# KiCad board SparkFun_BMV080_panelized.kicad_pcb (continued)
## Placement (name value [footprint] x y rotation side) (continued)
kibuzzard-66C3B3B1#29  G***  [kibuzzard-66C3B3B1]  139.93 17.24 90 bottom
kibuzzard-66C3B3B1#30  G***  [kibuzzard-66C3B3B1]  90.67 17.24 90 bottom
kibuzzard-66C3B3B1#31  G***  [kibuzzard-66C3B3B1]  66.04 122.84 90 bottom
kibuzzard-66C3B3B1#32  G***  [kibuzzard-66C3B3B1]  90.67 30.44 90 bottom
kibuzzard-66C3B3B1#33  G***  [kibuzzard-66C3B3B1]  66.04 43.64 90 bottom
kibuzzard-66C3B3B1#34  G***  [kibuzzard-66C3B3B1]  90.67 56.84 90 bottom
kibuzzard-66C3B3B1#35  G***  [kibuzzard-66C3B3B1]  90.67 43.64 90 bottom
kibuzzard-66C3B3B1#36  G***  [kibuzzard-66C3B3B1]  66.04 109.64 90 bottom
kibuzzard-66C3B3B1#37  G***  [kibuzzard-66C3B3B1]  90.67 70.04 90 bottom
kibuzzard-66C3B3B1#38  G***  [kibuzzard-66C3B3B1]  90.67 122.84 90 bottom
kibuzzard-66C3B3B1#39  G***  [kibuzzard-66C3B3B1]  115.3 43.64 90 bottom
kibuzzard-66C3B3B1#40  G***  [kibuzzard-66C3B3B1]  115.3 56.84 90 bottom
kibuzzard-66C3B3B1#41  G***  [kibuzzard-66C3B3B1]  115.3 30.44 90 bottom
kibuzzard-66C3B3B1#42  G***  [kibuzzard-66C3B3B1]  115.3 70.04 90 bottom
kibuzzard-66C3B3B1#43  G***  [kibuzzard-66C3B3B1]  115.3 96.44 90 bottom
kibuzzard-66C3B3B1#44  G***  [kibuzzard-66C3B3B1]  115.3 122.84 90 bottom
kibuzzard-66C3B3B1#45  G***  [kibuzzard-66C3B3B1]  115.3 83.24 90 bottom
kibuzzard-66C3B3B1#46  G***  [kibuzzard-66C3B3B1]  115.3 109.64 90 bottom
kibuzzard-66C3B3B1#47  G***  [kibuzzard-66C3B3B1]  139.93 43.64 90 bottom
kibuzzard-66C3B3B1#48  G***  [kibuzzard-66C3B3B1]  139.93 70.04 90 bottom
kibuzzard-66C3B3B1#49  G***  [kibuzzard-66C3B3B1]  139.93 96.44 90 bottom
kibuzzard-66C3B3B1#50  G***  [kibuzzard-66C3B3B1]  139.93 83.24 90 bottom
kibuzzard-66C3B3B1#51  G***  [kibuzzard-66C3B3B1]  139.93 56.84 90 bottom
kibuzzard-66C3B3B1#52  G***  [kibuzzard-66C3B3B1]  139.93 30.44 90 bottom
kibuzzard-66C3B3B1#53  G***  [kibuzzard-66C3B3B1]  139.93 122.84 90 bottom
kibuzzard-66C3B3B1#54  G***  [kibuzzard-66C3B3B1]  139.93 109.64 90 bottom
kibuzzard-66C3B3D3  G***  [kibuzzard-66C3B3D3]  20.63 17.25 90 bottom
kibuzzard-66C3B3D3#2  G***  [kibuzzard-66C3B3D3]  119.15 30.45 90 bottom
kibuzzard-66C3B3D3#3  G***  [kibuzzard-66C3B3D3]  69.89 109.65 90 bottom
kibuzzard-66C3B3D3#4  G***  [kibuzzard-66C3B3D3]  119.15 70.05 90 bottom
kibuzzard-66C3B3D3#5  G***  [kibuzzard-66C3B3D3]  94.52 30.45 90 bottom
kibuzzard-66C3B3D3#6  G***  [kibuzzard-66C3B3D3]  119.15 122.85 90 bottom
kibuzzard-66C3B3D3#7  G***  [kibuzzard-66C3B3D3]  143.78 30.45 90 bottom
kibuzzard-66C3B3D3#8  G***  [kibuzzard-66C3B3D3]  143.78 56.85 90 bottom
kibuzzard-66C3B3D3#9  G***  [kibuzzard-66C3B3D3]  119.15 83.25 90 bottom
kibuzzard-66C3B3D3#10  G***  [kibuzzard-66C3B3D3]  94.52 56.85 90 bottom
kibuzzard-66C3B3D3#11  G***  [kibuzzard-66C3B3D3]  94.52 96.45 90 bottom
kibuzzard-66C3B3D3#12  G***  [kibuzzard-66C3B3D3]  94.52 109.65 90 bottom
kibuzzard-66C3B3D3#13  G***  [kibuzzard-66C3B3D3]  69.89 122.85 90 bottom
kibuzzard-66C3B3D3#14  G***  [kibuzzard-66C3B3D3]  94.52 43.65 90 bottom
kibuzzard-66C3B3D3#15  G***  [kibuzzard-66C3B3D3]  94.52 17.25 90 bottom
kibuzzard-66C3B3D3#16  G***  [kibuzzard-66C3B3D3]  94.52 70.05 90 bottom
kibuzzard-66C3B3D3#17  G***  [kibuzzard-66C3B3D3]  94.52 83.25 90 bottom
kibuzzard-66C3B3D3#18  G***  [kibuzzard-66C3B3D3]  94.52 122.85 90 bottom
kibuzzard-66C3B3D3#19  G***  [kibuzzard-66C3B3D3]  119.15 17.25 90 bottom
kibuzzard-66C3B3D3#20  G***  [kibuzzard-66C3B3D3]  119.15 43.65 90 bottom
kibuzzard-66C3B3D3#21  G***  [kibuzzard-66C3B3D3]  119.15 56.85 90 bottom
kibuzzard-66C3B3D3#22  G***  [kibuzzard-66C3B3D3]  119.15 109.65 90 bottom
kibuzzard-66C3B3D3#23  G***  [kibuzzard-66C3B3D3]  119.15 96.45 90 bottom
kibuzzard-66C3B3D3#24  G***  [kibuzzard-66C3B3D3]  143.78 17.25 90 bottom
kibuzzard-66C3B3D3#25  G***  [kibuzzard-66C3B3D3]  143.78 43.65 90 bottom
kibuzzard-66C3B3D3#26  G***  [kibuzzard-66C3B3D3]  143.78 122.85 90 bottom
kibuzzard-66C3B3D3#27  G***  [kibuzzard-66C3B3D3]  143.78 96.45 90 bottom
kibuzzard-66C3B3D3#28  G***  [kibuzzard-66C3B3D3]  143.78 83.25 90 bottom
kibuzzard-66C3B3D3#29  G***  [kibuzzard-66C3B3D3]  143.78 109.65 90 bottom
kibuzzard-66C3B3D3#30  G***  [kibuzzard-66C3B3D3]  143.78 70.05 90 bottom
kibuzzard-66C3B3D3#31  G***  [kibuzzard-66C3B3D3]  20.63 43.65 90 bottom
kibuzzard-66C3B3D3#32  G***  [kibuzzard-66C3B3D3]  20.63 56.85 90 bottom
kibuzzard-66C3B3D3#33  G***  [kibuzzard-66C3B3D3]  20.63 83.25 90 bottom
kibuzzard-66C3B3D3#34  G***  [kibuzzard-66C3B3D3]  20.63 30.45 90 bottom
kibuzzard-66C3B3D3#35  G***  [kibuzzard-66C3B3D3]  20.63 70.05 90 bottom
kibuzzard-66C3B3D3#36  G***  [kibuzzard-66C3B3D3]  69.89 70.05 90 bottom
kibuzzard-66C3B3D3#37  G***  [kibuzzard-66C3B3D3]  69.89 96.45 90 bottom
kibuzzard-66C3B3D3#38  G***  [kibuzzard-66C3B3D3]  45.26 70.05 90 bottom
kibuzzard-66C3B3D3#39  G***  [kibuzzard-66C3B3D3]  45.26 56.85 90 bottom
kibuzzard-66C3B3D3#40  G***  [kibuzzard-66C3B3D3]  20.63 122.85 90 bottom
kibuzzard-66C3B3D3#41  G***  [kibuzzard-66C3B3D3]  45.26 17.25 90 bottom
kibuzzard-66C3B3D3#42  G***  [kibuzzard-66C3B3D3]  20.63 96.45 90 bottom
kibuzzard-66C3B3D3#43  G***  [kibuzzard-66C3B3D3]  45.26 30.45 90 bottom
kibuzzard-66C3B3D3#44  G***  [kibuzzard-66C3B3D3]  45.26 83.25 90 bottom
kibuzzard-66C3B3D3#45  G***  [kibuzzard-66C3B3D3]  45.26 96.45 90 bottom
kibuzzard-66C3B3D3#46  G***  [kibuzzard-66C3B3D3]  45.26 122.85 90 bottom
kibuzzard-66C3B3D3#47  G***  [kibuzzard-66C3B3D3]  20.63 109.65 90 bottom
kibuzzard-66C3B3D3#48  G***  [kibuzzard-66C3B3D3]  69.89 17.25 90 bottom
kibuzzard-66C3B3D3#49  G***  [kibuzzard-66C3B3D3]  69.89 43.65 90 bottom
kibuzzard-66C3B3D3#50  G***  [kibuzzard-66C3B3D3]  45.26 109.65 90 bottom
kibuzzard-66C3B3D3#51  G***  [kibuzzard-66C3B3D3]  45.26 43.65 90 bottom
kibuzzard-66C3B3D3#52  G***  [kibuzzard-66C3B3D3]  69.89 30.45 90 bottom
kibuzzard-66C3B3D3#53  G***  [kibuzzard-66C3B3D3]  69.89 56.85 90 bottom
kibuzzard-66C3B3D3#54  G***  [kibuzzard-66C3B3D3]  69.89 83.25 90 bottom
kibuzzard-66C3B30A  G***  [kibuzzard-66C3B30A]  13.82 14.05 180 bottom
kibuzzard-66C3B30A#2  G***  [kibuzzard-66C3B30A]  13.82 80.05 180 bottom
kibuzzard-66C3B30A#3  G***  [kibuzzard-66C3B30A]  13.82 66.85 180 bottom
kibuzzard-66C3B30A#4  G***  [kibuzzard-66C3B30A]  13.82 40.45 180 bottom
kibuzzard-66C3B30A#5  G***  [kibuzzard-66C3B30A]  38.45 40.45 180 bottom
kibuzzard-66C3B30A#6  G***  [kibuzzard-66C3B30A]  13.82 27.25 180 bottom
kibuzzard-66C3B30A#7  G***  [kibuzzard-66C3B30A]  13.82 53.65 180 bottom
kibuzzard-66C3B30A#8  G***  [kibuzzard-66C3B30A]  13.82 93.25 180 bottom
kibuzzard-66C3B30A#9  G***  [kibuzzard-66C3B30A]  13.82 106.45 180 bottom
kibuzzard-66C3B30A#10  G***  [kibuzzard-66C3B30A]  38.45 14.05 180 bottom
kibuzzard-66C3B30A#11  G***  [kibuzzard-66C3B30A]  38.45 27.25 180 bottom
kibuzzard-66C3B30A#12  G***  [kibuzzard-66C3B30A]  63.08 14.05 180 bottom
kibuzzard-66C3B30A#13  G***  [kibuzzard-66C3B30A]  38.45 53.65 180 bottom
kibuzzard-66C3B30A#14  G***  [kibuzzard-66C3B30A]  63.08 40.45 180 bottom
kibuzzard-66C3B30A#15  G***  [kibuzzard-66C3B30A]  87.71 27.25 180 bottom
kibuzzard-66C3B30A#16  G***  [kibuzzard-66C3B30A]  38.45 80.05 180 bottom
kibuzzard-66C3B30A#17  G***  [kibuzzard-66C3B30A]  13.82 119.65 180 bottom
kibuzzard-66C3B30A#18  G***  [kibuzzard-66C3B30A]  38.45 106.45 180 bottom
kibuzzard-66C3B30A#19  G***  [kibuzzard-66C3B30A]  87.71 119.65 180 bottom
kibuzzard-66C3B30A#20  G***  [kibuzzard-66C3B30A]  38.45 119.65 180 bottom
kibuzzard-66C3B30A#21  G***  [kibuzzard-66C3B30A]  63.08 80.05 180 bottom
kibuzzard-66C3B30A#22  G***  [kibuzzard-66C3B30A]  87.71 53.65 180 bottom
kibuzzard-66C3B30A#23  G***  [kibuzzard-66C3B30A]  87.71 66.85 180 bottom
kibuzzard-66C3B30A#24  G***  [kibuzzard-66C3B30A]  63.08 66.85 180 bottom
kibuzzard-66C3B30A#25  G***  [kibuzzard-66C3B30A]  63.08 93.25 180 bottom
kibuzzard-66C3B30A#26  G***  [kibuzzard-66C3B30A]  63.08 119.65 180 bottom
kibuzzard-66C3B30A#27  G***  [kibuzzard-66C3B30A]  38.45 93.25 180 bottom
kibuzzard-66C3B30A#28  G***  [kibuzzard-66C3B30A]  63.08 106.45 180 bottom
kibuzzard-66C3B30A#29  G***  [kibuzzard-66C3B30A]  38.45 66.85 180 bottom
kibuzzard-66C3B30A#30  G***  [kibuzzard-66C3B30A]  63.08 27.25 180 bottom
kibuzzard-66C3B30A#31  G***  [kibuzzard-66C3B30A]  63.08 53.65 180 bottom
kibuzzard-66C3B30A#32  G***  [kibuzzard-66C3B30A]  87.71 14.05 180 bottom
kibuzzard-66C3B30A#33  G***  [kibuzzard-66C3B30A]  87.71 40.45 180 bottom
kibuzzard-66C3B30A#34  G***  [kibuzzard-66C3B30A]  87.71 80.05 180 bottom
kibuzzard-66C3B30A#35  G***  [kibuzzard-66C3B30A]  87.71 93.25 180 bottom
kibuzzard-66C3B30A#36  G***  [kibuzzard-66C3B30A]  87.71 106.45 180 bottom
kibuzzard-66C3B30A#37  G***  [kibuzzard-66C3B30A]  112.34 93.25 180 bottom
kibuzzard-66C3B30A#38  G***  [kibuzzard-66C3B30A]  112.34 106.45 180 bottom
kibuzzard-66C3B30A#39  G***  [kibuzzard-66C3B30A]  136.97 80.05 180 bottom
kibuzzard-66C3B30A#40  G***  [kibuzzard-66C3B30A]  112.34 14.05 180 bottom
kibuzzard-66C3B30A#41  G***  [kibuzzard-66C3B30A]  112.34 53.65 180 bottom
kibuzzard-66C3B30A#42  G***  [kibuzzard-66C3B30A]  136.97 66.85 180 bottom
kibuzzard-66C3B30A#43  G***  [kibuzzard-66C3B30A]  136.97 93.25 180 bottom
kibuzzard-66C3B30A#44  G***  [kibuzzard-66C3B30A]  136.97 106.45 180 bottom
kibuzzard-66C3B30A#45  G***  [kibuzzard-66C3B30A]  112.34 66.85 180 bottom
kibuzzard-66C3B30A#46  G***  [kibuzzard-66C3B30A]  136.97 27.25 180 bottom
kibuzzard-66C3B30A#47  G***  [kibuzzard-66C3B30A]  112.34 119.65 180 bottom
kibuzzard-66C3B30A#48  G***  [kibuzzard-66C3B30A]  112.34 27.25 180 bottom
kibuzzard-66C3B30A#49  G***  [kibuzzard-66C3B30A]  136.97 53.65 180 bottom
kibuzzard-66C3B30A#50  G***  [kibuzzard-66C3B30A]  136.97 14.05 180 bottom
kibuzzard-66C3B30A#51  G***  [kibuzzard-66C3B30A]  112.34 40.45 180 bottom
kibuzzard-66C3B30A#52  G***  [kibuzzard-66C3B30A]  112.34 80.05 180 bottom
kibuzzard-66C3B30A#53  G***  [kibuzzard-66C3B30A]  136.97 40.45 180 bottom
kibuzzard-66C3B30A#54  G***  [kibuzzard-66C3B30A]  136.97 119.65 180 bottom
kibuzzard-66C3B30A#55  G***  [kibuzzard-66C3B30A]  29.96 12.51 90 bottom
kibuzzard-66C3B30A#56  G***  [kibuzzard-66C3B30A]  29.96 38.91 90 bottom
kibuzzard-66C3B30A#57  G***  [kibuzzard-66C3B30A]  29.96 78.51 90 bottom
kibuzzard-66C3B30A#58  G***  [kibuzzard-66C3B30A]  29.96 65.31 90 bottom
kibuzzard-66C3B30A#59  G***  [kibuzzard-66C3B30A]  29.96 104.91 90 bottom
kibuzzard-66C3B30A#60  G***  [kibuzzard-66C3B30A]  29.96 91.71 90 bottom
kibuzzard-66C3B30A#61  G***  [kibuzzard-66C3B30A]  29.96 118.11 90 bottom
kibuzzard-66C3B30A#62  G***  [kibuzzard-66C3B30A]  54.59 25.71 90 bottom
kibuzzard-66C3B30A#63  G***  [kibuzzard-66C3B30A]  54.59 52.11 90 bottom
kibuzzard-66C3B30A#64  G***  [kibuzzard-66C3B30A]  54.59 91.71 90 bottom
kibuzzard-66C3B30A#65  G***  [kibuzzard-66C3B30A]  79.22 12.51 90 bottom
kibuzzard-66C3B30A#66  G***  [kibuzzard-66C3B30A]  29.96 52.11 90 bottom
kibuzzard-66C3B30A#67  G***  [kibuzzard-66C3B30A]  54.59 104.91 90 bottom
kibuzzard-66C3B30A#68  G***  [kibuzzard-66C3B30A]  29.96 25.71 90 bottom
kibuzzard-66C3B30A#69  G***  [kibuzzard-66C3B30A]  54.59 12.51 90 bottom
kibuzzard-66C3B30A#70  G***  [kibuzzard-66C3B30A]  54.59 38.91 90 bottom
kibuzzard-66C3B30A#71  G***  [kibuzzard-66C3B30A]  54.59 118.11 90 bottom
kibuzzard-66C3B30A#72  G***  [kibuzzard-66C3B30A]  54.59 78.51 90 bottom
kibuzzard-66C3B30A#73  G***  [kibuzzard-66C3B30A]  54.59 65.31 90 bottom
kibuzzard-66C3B30A#74  G***  [kibuzzard-66C3B30A]  103.85 78.51 90 bottom
kibuzzard-66C3B30A#75  G***  [kibuzzard-66C3B30A]  103.85 118.11 90 bottom
kibuzzard-66C3B30A#76  G***  [kibuzzard-66C3B30A]  103.85 104.91 90 bottom
kibuzzard-66C3B30A#77  G***  [kibuzzard-66C3B30A]  79.22 78.51 90 bottom
kibuzzard-66C3B30A#78  G***  [kibuzzard-66C3B30A]  79.22 91.71 90 bottom
kibuzzard-66C3B30A#79  G***  [kibuzzard-66C3B30A]  79.22 118.11 90 bottom
kibuzzard-66C3B30A#80  G***  [kibuzzard-66C3B30A]  79.22 38.91 90 bottom
kibuzzard-66C3B30A#81  G***  [kibuzzard-66C3B30A]  103.85 12.51 90 bottom
kibuzzard-66C3B30A#82  G***  [kibuzzard-66C3B30A]  103.85 38.91 90 bottom
kibuzzard-66C3B30A#83  G***  [kibuzzard-66C3B30A]  79.22 52.11 90 bottom
kibuzzard-66C3B30A#84  G***  [kibuzzard-66C3B30A]  79.22 25.71 90 bottom
kibuzzard-66C3B30A#85  G***  [kibuzzard-66C3B30A]  103.85 52.11 90 bottom
kibuzzard-66C3B30A#86  G***  [kibuzzard-66C3B30A]  103.85 65.31 90 bottom
kibuzzard-66C3B30A#87  G***  [kibuzzard-66C3B30A]  103.85 91.71 90 bottom
kibuzzard-66C3B30A#88  G***  [kibuzzard-66C3B30A]  79.22 65.31 90 bottom
kibuzzard-66C3B30A#89  G***  [kibuzzard-66C3B30A]  153.11 25.71 90 bottom
kibuzzard-66C3B30A#90  G***  [kibuzzard-66C3B30A]  79.22 104.91 90 bottom
kibuzzard-66C3B30A#91  G***  [kibuzzard-66C3B30A]  103.85 25.71 90 bottom
kibuzzard-66C3B30A#92  G***  [kibuzzard-66C3B30A]  128.48 12.51 90 bottom
kibuzzard-66C3B30A#93  G***  [kibuzzard-66C3B30A]  153.11 104.91 90 bottom
kibuzzard-66C3B30A#94  G***  [kibuzzard-66C3B30A]  128.48 78.51 90 bottom
kibuzzard-66C3B30A#95  G***  [kibuzzard-66C3B30A]  128.48 38.91 90 bottom
kibuzzard-66C3B30A#96  G***  [kibuzzard-66C3B30A]  128.48 65.31 90 bottom
kibuzzard-66C3B30A#97  G***  [kibuzzard-66C3B30A]  128.48 118.11 90 bottom
kibuzzard-66C3B30A#98  G***  [kibuzzard-66C3B30A]  153.11 12.51 90 bottom
kibuzzard-66C3B30A#99  G***  [kibuzzard-66C3B30A]  153.11 65.31 90 bottom
kibuzzard-66C3B30A#100  G***  [kibuzzard-66C3B30A]  153.11 78.51 90 bottom
kibuzzard-66C3B30A#101  G***  [kibuzzard-66C3B30A]  153.11 118.11 90 bottom
kibuzzard-66C3B30A#102  G***  [kibuzzard-66C3B30A]  128.48 25.71 90 bottom
kibuzzard-66C3B30A#103  G***  [kibuzzard-66C3B30A]  128.48 52.11 90 bottom
kibuzzard-66C3B30A#104  G***  [kibuzzard-66C3B30A]  128.48 91.71 90 bottom
kibuzzard-66C3B30A#105  G***  [kibuzzard-66C3B30A]  128.48 104.91 90 bottom
kibuzzard-66C3B30A#106  G***  [kibuzzard-66C3B30A]  153.11 38.91 90 bottom
kibuzzard-66C3B30A#107  G***  [kibuzzard-66C3B30A]  153.11 52.11 90 bottom
kibuzzard-66C3B30A#108  G***  [kibuzzard-66C3B30A]  153.11 91.71 90 bottom
kibuzzard-66C3B31E  G***  [kibuzzard-66C3B31E]  28.77 10.64 90 bottom
kibuzzard-66C3B31E#2  G***  [kibuzzard-66C3B31E]  28.77 89.84 90 bottom
kibuzzard-66C3B31E#3  G***  [kibuzzard-66C3B31E]  28.77 116.24 90 bottom
kibuzzard-66C3B31E#4  G***  [kibuzzard-66C3B31E]  28.77 23.84 90 bottom
kibuzzard-66C3B31E#5  G***  [kibuzzard-66C3B31E]  28.77 37.04 90 bottom
kibuzzard-66C3B31E#6  G***  [kibuzzard-66C3B31E]  28.77 63.44 90 bottom
kibuzzard-66C3B31E#7  G***  [kibuzzard-66C3B31E]  28.77 50.24 90 bottom
kibuzzard-66C3B31E#8  G***  [kibuzzard-66C3B31E]  28.77 76.64 90 bottom
kibuzzard-66C3B31E#9  G***  [kibuzzard-66C3B31E]  28.77 103.04 90 bottom
kibuzzard-66C3B31E#10  G***  [kibuzzard-66C3B31E]  53.4 103.04 90 bottom
kibuzzard-66C3B31E#11  G***  [kibuzzard-66C3B31E]  53.4 23.84 90 bottom
kibuzzard-66C3B31E#12  G***  [kibuzzard-66C3B31E]  53.4 76.64 90 bottom
kibuzzard-66C3B31E#13  G***  [kibuzzard-66C3B31E]  53.4 10.64 90 bottom
kibuzzard-66C3B31E#14  G***  [kibuzzard-66C3B31E]  78.03 116.24 90 bottom
kibuzzard-66C3B31E#15  G***  [kibuzzard-66C3B31E]  78.03 50.24 90 bottom
kibuzzard-66C3B31E#16  G***  [kibuzzard-66C3B31E]  78.03 103.04 90 bottom
kibuzzard-66C3B31E#17  G***  [kibuzzard-66C3B31E]  102.66 37.04 90 bottom
kibuzzard-66C3B31E#18  G***  [kibuzzard-66C3B31E]  102.66 89.84 90 bottom
kibuzzard-66C3B31E#19  G***  [kibuzzard-66C3B31E]  102.66 116.24 90 bottom
kibuzzard-66C3B31E#20  G***  [kibuzzard-66C3B31E]  102.66 76.64 90 bottom
kibuzzard-66C3B31E#21  G***  [kibuzzard-66C3B31E]  53.4 116.24 90 bottom
kibuzzard-66C3B31E#22  G***  [kibuzzard-66C3B31E]  78.03 63.44 90 bottom
kibuzzard-66C3B31E#23  G***  [kibuzzard-66C3B31E]  78.03 76.64 90 bottom
kibuzzard-66C3B31E#24  G***  [kibuzzard-66C3B31E]  53.4 37.04 90 bottom
kibuzzard-66C3B31E#25  G***  [kibuzzard-66C3B31E]  53.4 50.24 90 bottom
kibuzzard-66C3B31E#26  G***  [kibuzzard-66C3B31E]  53.4 63.44 90 bottom
kibuzzard-66C3B31E#27  G***  [kibuzzard-66C3B31E]  53.4 89.84 90 bottom
kibuzzard-66C3B31E#28  G***  [kibuzzard-66C3B31E]  78.03 10.64 90 bottom
kibuzzard-66C3B31E#29  G***  [kibuzzard-66C3B31E]  78.03 23.84 90 bottom
kibuzzard-66C3B31E#30  G***  [kibuzzard-66C3B31E]  78.03 37.04 90 bottom
kibuzzard-66C3B31E#31  G***  [kibuzzard-66C3B31E]  78.03 89.84 90 bottom
kibuzzard-66C3B31E#32  G***  [kibuzzard-66C3B31E]  102.66 23.84 90 bottom
kibuzzard-66C3B31E#33  G***  [kibuzzard-66C3B31E]  102.66 10.64 90 bottom
kibuzzard-66C3B31E#34  G***  [kibuzzard-66C3B31E]  102.66 50.24 90 bottom
kibuzzard-66C3B31E#35  G***  [kibuzzard-66C3B31E]  102.66 63.44 90 bottom
kibuzzard-66C3B31E#36  G***  [kibuzzard-66C3B31E]  102.66 103.04 90 bottom
kibuzzard-66C3B31E#37  G***  [kibuzzard-66C3B31E]  127.29 10.64 90 bottom
kibuzzard-66C3B31E#38  G***  [kibuzzard-66C3B31E]  127.29 50.24 90 bottom
kibuzzard-66C3B31E#39  G***  [kibuzzard-66C3B31E]  151.92 50.24 90 bottom
kibuzzard-66C3B31E#40  G***  [kibuzzard-66C3B31E]  127.29 23.84 90 bottom
kibuzzard-66C3B31E#41  G***  [kibuzzard-66C3B31E]  127.29 63.44 90 bottom
kibuzzard-66C3B31E#42  G***  [kibuzzard-66C3B31E]  127.29 76.64 90 bottom
kibuzzard-66C3B31E#43  G***  [kibuzzard-66C3B31E]  151.92 23.84 90 bottom
kibuzzard-66C3B31E#44  G***  [kibuzzard-66C3B31E]  127.29 89.84 90 bottom
kibuzzard-66C3B31E#45  G***  [kibuzzard-66C3B31E]  151.92 63.44 90 bottom
kibuzzard-66C3B31E#46  G***  [kibuzzard-66C3B31E]  151.92 76.64 90 bottom
kibuzzard-66C3B31E#47  G***  [kibuzzard-66C3B31E]  151.92 89.84 90 bottom
kibuzzard-66C3B31E#48  G***  [kibuzzard-66C3B31E]  127.29 116.24 90 bottom
kibuzzard-66C3B31E#49  G***  [kibuzzard-66C3B31E]  151.92 37.04 90 bottom
kibuzzard-66C3B31E#50  G***  [kibuzzard-66C3B31E]  151.92 10.64 90 bottom
kibuzzard-66C3B31E#51  G***  [kibuzzard-66C3B31E]  127.29 103.04 90 bottom
kibuzzard-66C3B31E#52  G***  [kibuzzard-66C3B31E]  127.29 37.04 90 bottom
kibuzzard-66C3B31E#53  G***  [kibuzzard-66C3B31E]  151.92 116.24 90 bottom
kibuzzard-66C3B31E#54  G***  [kibuzzard-66C3B31E]  151.92 103.04 90 bottom
kibuzzard-66C3B369  G***  [kibuzzard-66C3B369]  20.13 15.26 180 bottom
kibuzzard-66C3B369#2  G***  [kibuzzard-66C3B369]  44.76 54.86 180 bottom
kibuzzard-66C3B369#3  G***  [kibuzzard-66C3B369]  20.13 81.26 180 bottom
kibuzzard-66C3B369#4  G***  [kibuzzard-66C3B369]  20.13 94.46 180 bottom
kibuzzard-66C3B369#5  G***  [kibuzzard-66C3B369]  44.76 41.66 180 bottom
kibuzzard-66C3B369#6  G***  [kibuzzard-66C3B369]  20.13 28.46 180 bottom
kibuzzard-66C3B369#7  G***  [kibuzzard-66C3B369]  20.13 54.86 180 bottom
kibuzzard-66C3B369#8  G***  [kibuzzard-66C3B369]  20.13 68.06 180 bottom
kibuzzard-66C3B369#9  G***  [kibuzzard-66C3B369]  20.13 107.66 180 bottom
kibuzzard-66C3B369#10  G***  [kibuzzard-66C3B369]  20.13 120.86 180 bottom
kibuzzard-66C3B369#11  G***  [kibuzzard-66C3B369]  20.13 41.66 180 bottom
kibuzzard-66C3B369#12  G***  [kibuzzard-66C3B369]  44.76 15.26 180 bottom
kibuzzard-66C3B369#13  G***  [kibuzzard-66C3B369]  44.76 28.46 180 bottom
kibuzzard-66C3B369#14  G***  [kibuzzard-66C3B369]  94.02 28.46 180 bottom
kibuzzard-66C3B369#15  G***  [kibuzzard-66C3B369]  94.02 54.86 180 bottom
kibuzzard-66C3B369#16  G***  [kibuzzard-66C3B369]  94.02 81.26 180 bottom
kibuzzard-66C3B369#17  G***  [kibuzzard-66C3B369]  69.39 54.86 180 bottom
kibuzzard-66C3B369#18  G***  [kibuzzard-66C3B369]  44.76 107.66 180 bottom
kibuzzard-66C3B369#19  G***  [kibuzzard-66C3B369]  69.39 28.46 180 bottom
kibuzzard-66C3B369#20  G***  [kibuzzard-66C3B369]  44.76 81.26 180 bottom
kibuzzard-66C3B369#21  G***  [kibuzzard-66C3B369]  69.39 15.26 180 bottom
kibuzzard-66C3B369#22  G***  [kibuzzard-66C3B369]  69.39 68.06 180 bottom
kibuzzard-66C3B369#23  G***  [kibuzzard-66C3B369]  44.76 68.06 180 bottom
kibuzzard-66C3B369#24  G***  [kibuzzard-66C3B369]  44.76 94.46 180 bottom
kibuzzard-66C3B369#25  G***  [kibuzzard-66C3B369]  44.76 120.86 180 bottom
kibuzzard-66C3B369#26  G***  [kibuzzard-66C3B369]  69.39 81.26 180 bottom
kibuzzard-66C3B369#27  G***  [kibuzzard-66C3B369]  69.39 107.66 180 bottom
kibuzzard-66C3B369#28  G***  [kibuzzard-66C3B369]  94.02 15.26 180 bottom
kibuzzard-66C3B369#29  G***  [kibuzzard-66C3B369]  69.39 94.46 180 bottom
kibuzzard-66C3B369#30  G***  [kibuzzard-66C3B369]  69.39 41.66 180 bottom
kibuzzard-66C3B369#31  G***  [kibuzzard-66C3B369]  69.39 120.86 180 bottom
kibuzzard-66C3B369#32  G***  [kibuzzard-66C3B369]  94.02 41.66 180 bottom
kibuzzard-66C3B369#33  G***  [kibuzzard-66C3B369]  94.02 68.06 180 bottom
kibuzzard-66C3B369#34  G***  [kibuzzard-66C3B369]  94.02 94.46 180 bottom
kibuzzard-66C3B369#35  G***  [kibuzzard-66C3B369]  118.65 107.66 180 bottom
kibuzzard-66C3B369#36  G***  [kibuzzard-66C3B369]  143.28 54.86 180 bottom
kibuzzard-66C3B369#37  G***  [kibuzzard-66C3B369]  118.65 54.86 180 bottom
kibuzzard-66C3B369#38  G***  [kibuzzard-66C3B369]  118.65 94.46 180 bottom
kibuzzard-66C3B369#39  G***  [kibuzzard-66C3B369]  118.65 41.66 180 bottom
kibuzzard-66C3B369#40  G***  [kibuzzard-66C3B369]  118.65 81.26 180 bottom
kibuzzard-66C3B369#41  G***  [kibuzzard-66C3B369]  118.65 120.86 180 bottom
kibuzzard-66C3B369#42  G***  [kibuzzard-66C3B369]  143.28 28.46 180 bottom
kibuzzard-66C3B369#43  G***  [kibuzzard-66C3B369]  143.28 68.06 180 bottom
kibuzzard-66C3B369#44  G***  [kibuzzard-66C3B369]  94.02 120.86 180 bottom
kibuzzard-66C3B369#45  G***  [kibuzzard-66C3B369]  118.65 15.26 180 bottom
kibuzzard-66C3B369#46  G***  [kibuzzard-66C3B369]  143.28 15.26 180 bottom
kibuzzard-66C3B369#47  G***  [kibuzzard-66C3B369]  143.28 81.26 180 bottom
kibuzzard-66C3B369#48  G***  [kibuzzard-66C3B369]  143.28 94.46 180 bottom
kibuzzard-66C3B369#49  G***  [kibuzzard-66C3B369]  143.28 107.66 180 bottom
kibuzzard-66C3B369#50  G***  [kibuzzard-66C3B369]  94.02 107.66 180 bottom
kibuzzard-66C3B369#51  G***  [kibuzzard-66C3B369]  118.65 28.46 180 bottom
kibuzzard-66C3B369#52  G***  [kibuzzard-66C3B369]  118.65 68.06 180 bottom
kibuzzard-66C3B369#53  G***  [kibuzzard-66C3B369]  143.28 41.66 180 bottom
kibuzzard-66C3B369#54  G***  [kibuzzard-66C3B369]  143.28 120.86 180 bottom
kibuzzard-66C4B81D  G***  [kibuzzard-66C4B81D]  30.21 10.32 90 top
kibuzzard-66C4B81D#2  G***  [kibuzzard-66C4B81D]  30.21 23.52 90 top
kibuzzard-66C4B81D#3  G***  [kibuzzard-66C4B81D]  54.84 63.12 90 top
kibuzzard-66C4B81D#4  G***  [kibuzzard-66C4B81D]  79.47 10.32 90 top
kibuzzard-66C4B81D#5  G***  [kibuzzard-66C4B81D]  54.84 10.32 90 top
kibuzzard-66C4B81D#6  G***  [kibuzzard-66C4B81D]  30.21 76.32 90 top
kibuzzard-66C4B81D#7  G***  [kibuzzard-66C4B81D]  30.21 89.52 90 top
kibuzzard-66C4B81D#8  G***  [kibuzzard-66C4B81D]  54.84 23.52 90 top
kibuzzard-66C4B81D#9  G***  [kibuzzard-66C4B81D]  30.21 49.92 90 top
kibuzzard-66C4B81D#10  G***  [kibuzzard-66C4B81D]  54.84 36.72 90 top
kibuzzard-66C4B81D#11  G***  [kibuzzard-66C4B81D]  30.21 115.92 90 top
kibuzzard-66C4B81D#12  G***  [kibuzzard-66C4B81D]  54.84 76.32 90 top
kibuzzard-66C4B81D#13  G***  [kibuzzard-66C4B81D]  54.84 115.92 90 top
kibuzzard-66C4B81D#14  G***  [kibuzzard-66C4B81D]  30.21 102.72 90 top
kibuzzard-66C4B81D#15  G***  [kibuzzard-66C4B81D]  79.47 49.92 90 top
kibuzzard-66C4B81D#16  G***  [kibuzzard-66C4B81D]  54.84 89.52 90 top
kibuzzard-66C4B81D#17  G***  [kibuzzard-66C4B81D]  54.84 102.72 90 top
kibuzzard-66C4B81D#18  G***  [kibuzzard-66C4B81D]  30.21 63.12 90 top
kibuzzard-66C4B81D#19  G***  [kibuzzard-66C4B81D]  30.21 36.72 90 top
kibuzzard-66C4B81D#20  G***  [kibuzzard-66C4B81D]  54.84 49.92 90 top
kibuzzard-66C4B81D#21  G***  [kibuzzard-66C4B81D]  79.47 23.52 90 top
kibuzzard-66C4B81D#22  G***  [kibuzzard-66C4B81D]  79.47 36.72 90 top
kibuzzard-66C4B81D#23  G***  [kibuzzard-66C4B81D]  79.47 63.12 90 top
kibuzzard-66C4B81D#24  G***  [kibuzzard-66C4B81D]  79.47 76.32 90 top
kibuzzard-66C4B81D#25  G***  [kibuzzard-66C4B81D]  79.47 89.52 90 top
kibuzzard-66C4B81D#26  G***  [kibuzzard-66C4B81D]  104.1 115.92 90 top
kibuzzard-66C4B81D#27  G***  [kibuzzard-66C4B81D]  79.47 102.72 90 top
kibuzzard-66C4B81D#28  G***  [kibuzzard-66C4B81D]  104.1 76.32 90 top
kibuzzard-66C4B81D#29  G***  [kibuzzard-66C4B81D]  104.1 102.72 90 top
kibuzzard-66C4B81D#30  G***  [kibuzzard-66C4B81D]  153.36 23.52 90 top
kibuzzard-66C4B81D#31  G***  [kibuzzard-66C4B81D]  128.73 63.12 90 top
kibuzzard-66C4B81D#32  G***  [kibuzzard-66C4B81D]  79.47 115.92 90 top
kibuzzard-66C4B81D#33  G***  [kibuzzard-66C4B81D]  128.73 76.32 90 top
kibuzzard-66C4B81D#34  G***  [kibuzzard-66C4B81D]  104.1 49.92 90 top
kibuzzard-66C4B81D#35  G***  [kibuzzard-66C4B81D]  104.1 23.52 90 top
kibuzzard-66C4B81D#36  G***  [kibuzzard-66C4B81D]  104.1 89.52 90 top
kibuzzard-66C4B81D#37  G***  [kibuzzard-66C4B81D]  104.1 63.12 90 top
kibuzzard-66C4B81D#38  G***  [kibuzzard-66C4B81D]  104.1 10.32 90 top
kibuzzard-66C4B81D#39  G***  [kibuzzard-66C4B81D]  128.73 10.32 90 top
kibuzzard-66C4B81D#40  G***  [kibuzzard-66C4B81D]  128.73 36.72 90 top
kibuzzard-66C4B81D#41  G***  [kibuzzard-66C4B81D]  104.1 36.72 90 top
kibuzzard-66C4B81D#42  G***  [kibuzzard-66C4B81D]  153.36 10.32 90 top
kibuzzard-66C4B81D#43  G***  [kibuzzard-66C4B81D]  128.73 89.52 90 top
kibuzzard-66C4B81D#44  G***  [kibuzzard-66C4B81D]  128.73 102.72 90 top
